# Altium PCB VALVEBOARD_Kun.PcbDoc (part 13 of 13)
Units mil, origin at the board's own origin, x right, y up, seen from the top; angles counter-clockwise.
Board outline 10923.41 x 5583.88 mil, 2 copper layers (Top Layer, Bottom Layer), stack 10.8 mil thick; 1127 components, 626 nets, 3503 pads, 1418 vias.
Unrouted connection lines stored in the file: 1.
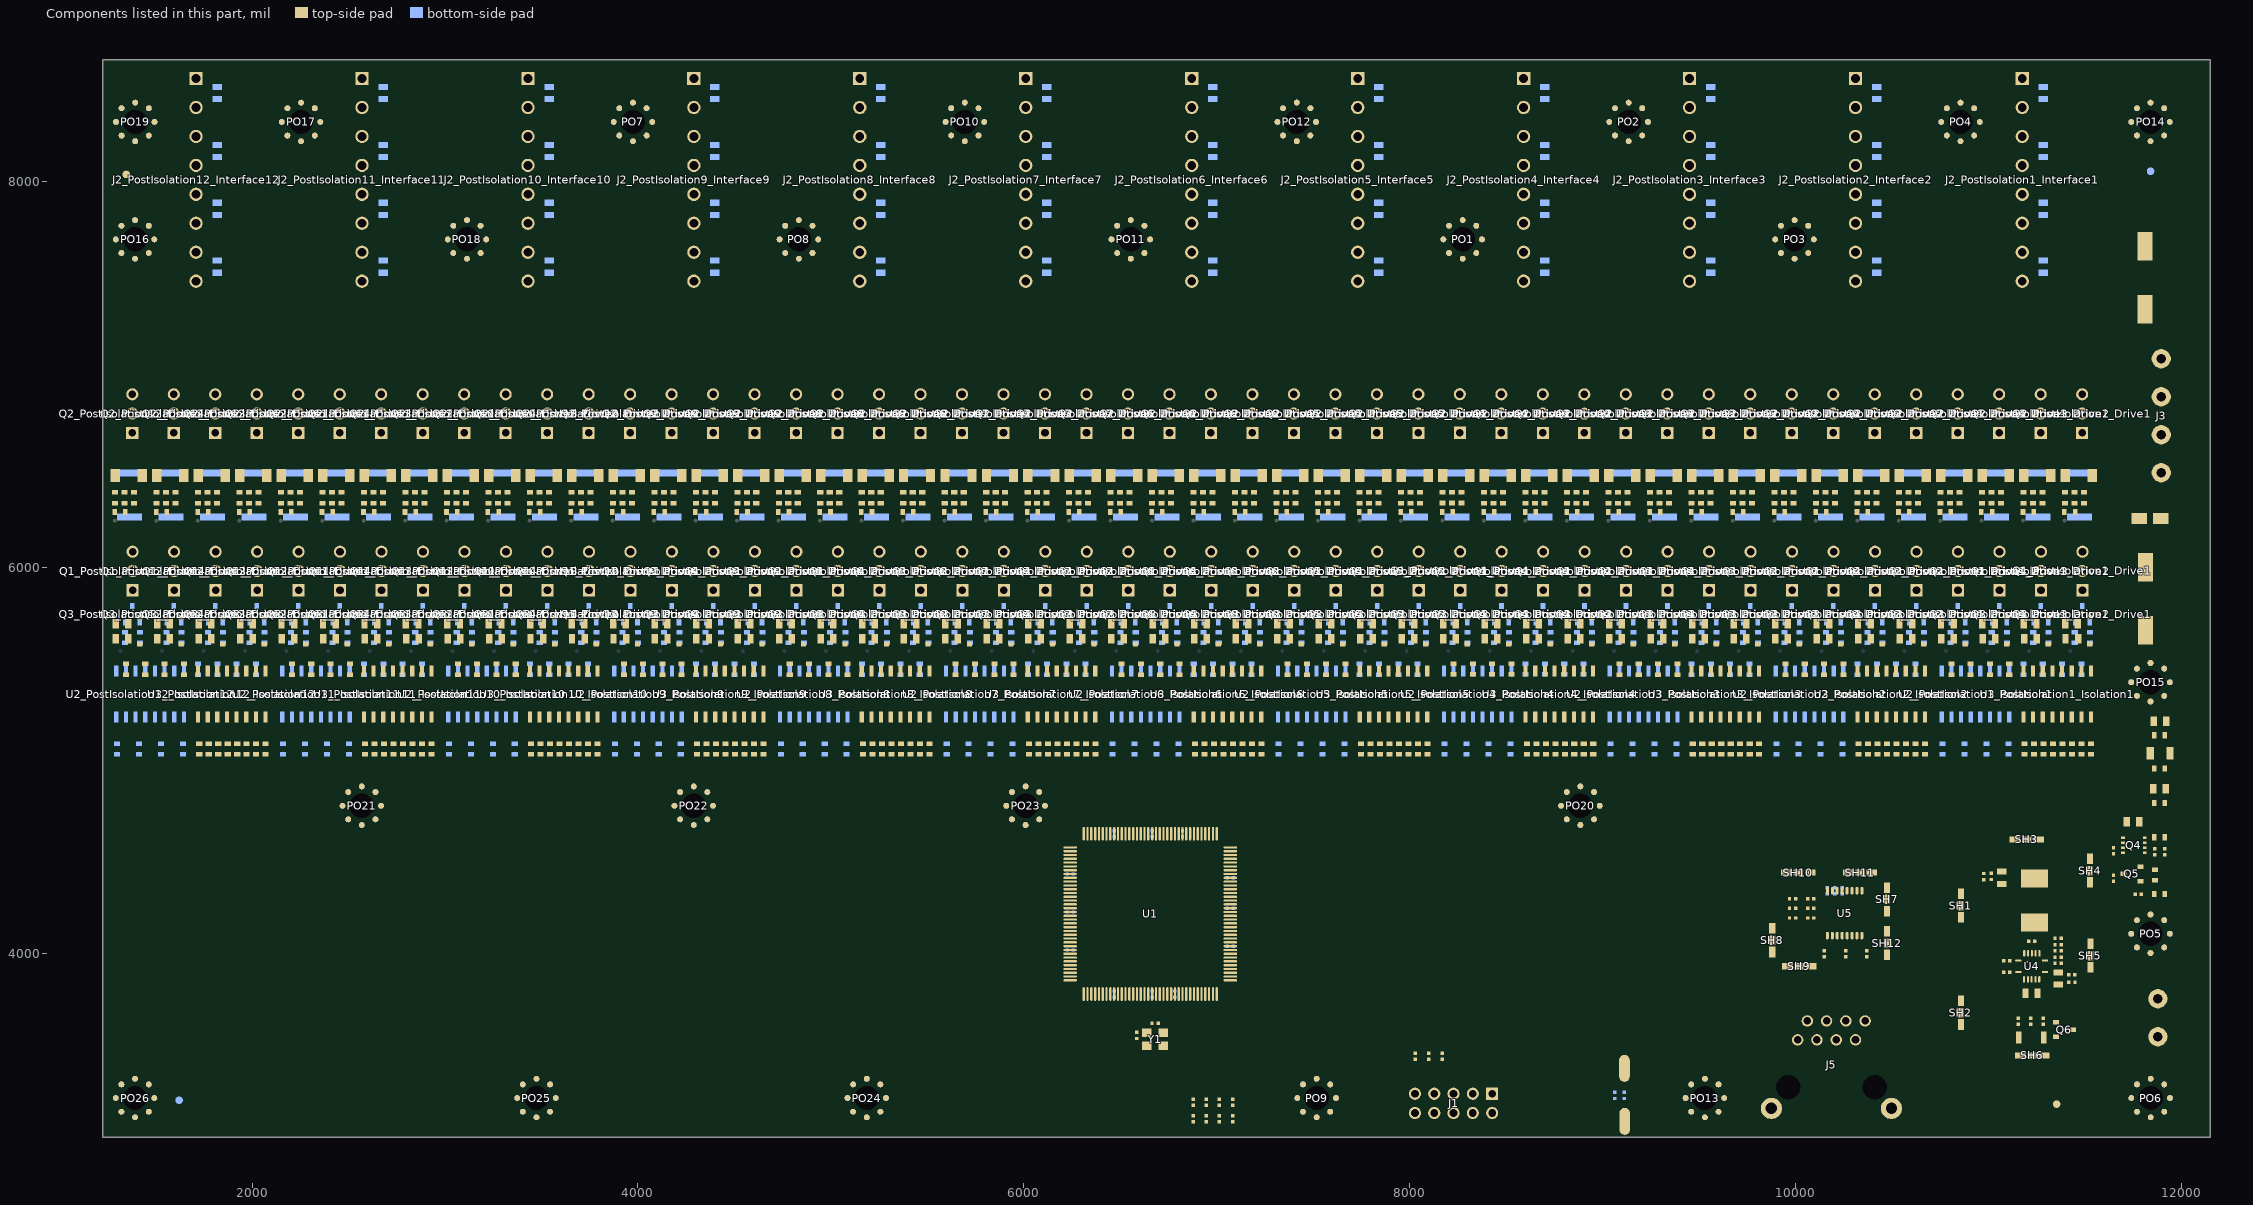
[diagram p13: the components of this part, seen from the top]

## Silkscreen, mask and mechanical layers (free items; w line width, h text height)
Top Overlay:
  drawing of 528 lines, arcs and shapes, not listed
  text "M3" at 1335.68,8521.31 h80
  text "M3" at 2195.38,8521.39 h80
  text "M3" at 3915.5,8521.39 h80
  text "M3" at 5635.62,8521.39 h80
  text "M3" at 7355.74,8521.39 h80
  text "M3" at 9075.86,8521.32 h80
  text "M3" at 10800.11,8521.32 h80
  text "9-" at 9747.06,8480.08 h80 r90
  text "5-" at 10607.12,8480.15 h80 r90
  text "1-" at 11471.31,8480.08 h80 r90
  text "17-" at 8046.94,8471.82 h80 r90
  text "13-" at 8907,8471.82 h80 r90
  text "37-" at 3741.64,8469.43 h80 r90
  text "33-" at 4606.7,8469.43 h80 r90
  text "29-" at 5466.76,8468.96 h80 r90
  text "25-" at 6326.82,8468.96 h80 r90
  text "21-" at 7186.88,8468.96 h80 r90
  text "45-" at 2026.52,8468.35 h80 r90
  text "41-" at 2876.58,8468.35 h80 r90
  text "M3" at 12051.4,8359.6 h80 r270
  text "9+" at 9720.09,8327.65 h80 r90
  text "5+" at 10580.15,8327.72 h80 r90
  text "1+" at 11444.34,8327.65 h80 r90
  text "17+" at 7999.97,8311.29 h80 r90
  text "13+" at 8860.03,8311.29 h80 r90
  text "37+" at 3699.67,8308.9 h80 r90
  text "33+" at 4559.73,8308.9 h80 r90
  text "45+" at 1979.55,8307.82 h80 r90
  text "41+" at 2839.61,8307.82 h80 r90
  text "29+" at 5419.79,8308.43 h80 r90
  text "25+" at 6279.85,8308.43 h80 r90
  text "21+" at 7139.91,8308.43 h80 r90
  text "6-" at 10580.15,8177.72 h80 r90
  text "2-" at 11444.34,8177.65 h80 r90
  text "18-" at 7999.97,8169.39 h80 r90
  text "14-" at 8860.03,8169.39 h80 r90
  text "10-" at 9720.09,8169.33 h80 r90
  text "38-" at 3699.67,8167 h80 r90
  text "34-" at 4559.73,8167 h80 r90
  text "30-" at 5419.79,8167 h80 r90
  text "26-" at 6279.85,8166.53 h80 r90
  text "22-" at 7139.91,8166.53 h80 r90
  text "46-" at 1979.55,8165.92 h80 r90
  text "42-" at 2839.61,8165.92 h80 r90
  text "1" at 10995.01,8106.32 h100 r90
  text "5" at 10121.2,8104.57 h100 r90
  text "9" at 9270.76,8077.83 h100 r90
  text "13" at 8411.36,8061.62 h100 r90
  text "33" at 4111.06,8058.15 h100 r90
  text "29" at 4971.12,8057.97 h100 r90
  text "25" at 5832.2,8057.72 h100 r90
  text "21" at 6692.26,8058.07 h100 r90
  text "17" at 7552.32,8058.07 h100 r90
  text "45" at 1532.92,8056.88 h100 r90
  text "41" at 2391.96,8057.31 h100 r90
  text "37" at 3252.02,8057.3 h100 r90
  text "6+" at 10580.15,8027.72 h80 r90
  text "2+" at 11444.34,8027.65 h80 r90
  text "18+" at 7999.97,8011.29 h80 r90
  text "14+" at 8860.03,8011.29 h80 r90
  text "10+" at 9720.09,8011.22 h80 r90
  text "38+" at 3699.67,8008.9 h80 r90
  text "34+" at 4559.73,8008.9 h80 r90
  text "30+" at 5419.79,8008.9 h80 r90
  text "46+" at 1979.55,8007.82 h80 r90
  text "42+" at 2839.61,8007.82 h80 r90
  text "26+" at 6279.85,8008.43 h80 r90
  text "22+" at 7139.91,8008.43 h80 r90
  text "▷" at 10121.2,7970.22 h100 r90
  text "▷" at 9270.76,7964.82 h100 r90
  text "▷" at 10995.01,7964.82 h100 r90
  text "▷" at 1532.92,7961.75 h100 r90
  text "▷" at 2391.96,7961.83 h100 r90
  text "▷" at 3252.02,7961.83 h100 r90
  text "▷" at 4111.06,7961.91 h100 r90
  text "▷" at 4971.12,7961.91 h100 r90
  text "▷" at 5832.2,7961.83 h100 r90
  text "▷" at 6692.26,7961.83 h100 r90
  text "▷" at 7552.32,7961.83 h100 r90
  text "▷" at 8411.36,7961.91 h100 r90
  text "7-" at 10580.15,7877.72 h80 r90
  text "3-" at 11444.34,7877.65 h80 r90
  text "19-" at 7999.97,7869.39 h80 r90
  text "15-" at 8860.03,7869.39 h80 r90
  text "11-" at 9720.09,7869.32 h80 r90
  text "39-" at 3699.67,7867 h80 r90
  text "35-" at 4559.73,7867 h80 r90
  text "31-" at 5419.79,7867 h80 r90
  text "27-" at 6279.85,7866.53 h80 r90
  text "23-" at 7139.91,7866.53 h80 r90
  text "47-" at 1979.55,7865.92 h80 r90
  text "43-" at 2839.61,7865.92 h80 r90
  text "8" at 10121.2,7832.75 h100 r90
  text "4" at 10995.01,7827.35 h100 r90
  text "16" at 8411.36,7824.93 h100 r90
  text "36" at 4111.06,7821.94 h100 r90
  text "44" at 2391.96,7820.62 h100 r90
  text "40" at 3252.02,7820.62 h100 r90
  text "32" at 4971.12,7821.29 h100 r90
  text "28" at 5832.2,7821.03 h100 r90
  text "24" at 6692.26,7821.38 h100 r90
  text "20" at 7552.32,7821.38 h100 r90
  text "48" at 1532.92,7820.19 h100 r90
  text "12" at 9270.76,7807.82 h100 r90
  text "7+" at 10580.15,7727.72 h80 r90
  text "3+" at 11444.34,7727.65 h80 r90
  text "19+" at 7999.97,7711.29 h80 r90
  text "15+" at 8860.03,7711.29 h80 r90
  text "11+" at 9720.09,7711.22 h80 r90
  text "39+" at 3699.67,7708.9 h80 r90
  text "35+" at 4559.73,7708.9 h80 r90
  text "31+" at 5419.79,7708.9 h80 r90
  text "47+" at 1979.55,7707.82 h80 r90
  text "43+" at 2839.61,7707.82 h80 r90
  text "27+" at 6279.85,7708.43 h80 r90
  text "23+" at 7139.91,7708.43 h80 r90
  text "8-" at 10580.15,7577.72 h80 r90
  text "4-" at 11444.34,7577.65 h80 r90
  text "16-" at 8860.03,7569.39 h80 r90
  text "12-" at 9720.09,7569.32 h80 r90
  text "36-" at 4559.73,7566.53 h80 r90
  text "32-" at 5419.79,7567 h80 r90
  text "28-" at 6279.85,7566.53 h80 r90
  text "24-" at 7139.91,7566.53 h80 r90
  text "20-" at 7999.97,7566.53 h80 r90
  text "48-" at 1979.55,7565.92 h80 r90
  text "44-" at 2839.61,7565.92 h80 r90
  text "40-" at 3699.67,7565.92 h80 r90
  text "8+" at 10580.15,7427.72 h80 r90
  text "4+" at 11444.34,7427.65 h80 r90
  text "M3" at 3067.37,7421.34 h80
  text "M3" at 4787.49,7421.34 h80
  text "M3" at 6507.61,7421.34 h80
  text "M3" at 8227.73,7421.34 h80
  text "M3" at 9947.85,7421.34 h80
  text "16+" at 8860.03,7411.29 h80 r90
  text "12+" at 9720.09,7411.22 h80 r90
  text "36+" at 4559.73,7408.9 h80 r90
  text "32+" at 5419.79,7408.9 h80 r90
  text "48+" at 1979.55,7407.82 h80 r90
  text "44+" at 2839.61,7407.82 h80 r90
  text "40+" at 3699.67,7407.82 h80 r90
  text "28+" at 6279.85,7408.43 h80 r90
  text "24+" at 7139.91,7408.43 h80 r90
  text "20+" at 7999.97,7408.43 h80 r90
  text "44" at 2258.21,7170.77 h80 r90
  text "43" at 2453.44,7170.77 h80 r90
  text "42" at 2647.34,7170.77 h80 r90
  text "41" at 2844.17,7170.77 h80 r90
  text "36" at 3978.33,7170.77 h80 r90
  text "35" at 4173.56,7170.77 h80 r90
  text "34" at 4367.47,7170.77 h80 r90
  text "33" at 4564.29,7170.77 h80 r90
  text "28" at 5698.45,7170.77 h80 r90
  text "27" at 5893.68,7170.77 h80 r90
  text "26" at 6087.59,7170.77 h80 r90
  text "25" at 6284.41,7170.77 h80 r90
  text "20" at 7418.58,7170.77 h80 r90
  text "19" at 7613.8,7170.77 h80 r90
  text "18" at 7807.71,7170.77 h80 r90
  text "17" at 8004.53,7170.77 h80 r90
  text "12" at 9138.7,7170.77 h80 r90
  text "11" at 9333.92,7170.77 h80 r90
  text "10" at 9527.83,7170.77 h80 r90
  text "9" at 9724.65,7170.77 h80 r90
  text "8" at 10032.54,7170.77 h80 r90
  text "7" at 10224.08,7170.52 h80 r90
  text "6" at 10390.58,7170.52 h80 r90
  text "5" at 10584.3,7170.52 h80 r90
  text "4" at 10864.64,7170.52 h80 r90
  text "3" at 11054.04,7170.52 h80 r90
  text "2" at 11253.81,7170.52 h80 r90
  text "1" at 11448.49,7170.52 h80 r90
  text "48" at 1431.94,7170.39 h80 r90
  text "47" at 1623.47,7170.39 h80 r90
  text "46" at 1789.98,7170.39 h80 r90
  text "45" at 1983.69,7170.39 h80 r90
  text "40" at 3152.06,7170.39 h80 r90
  text "39" at 3343.6,7170.39 h80 r90
  text "38" at 3510.1,7170.39 h80 r90
  text "37" at 3703.82,7170.39 h80 r90
  text "32" at 4872.18,7170.39 h80 r90
  text "31" at 5063.72,7170.39 h80 r90
  text "30" at 5230.22,7170.39 h80 r90
  text "29" at 5423.94,7170.39 h80 r90
  text "24" at 6592.3,7170.39 h80 r90
  text "23" at 6783.84,7170.39 h80 r90
  text "22" at 6950.34,7170.39 h80 r90
  text "21" at 7144.06,7170.39 h80 r90
  text "16" at 8312.42,7170.39 h80 r90
  text "15" at 8503.96,7170.39 h80 r90
  text "14" at 8670.47,7170.39 h80 r90
  text "13" at 8864.18,7170.39 h80 r90
  text "LOW" at 12142.2,7022.42 h60 r90
  text "PGND" at 12142.2,6812.44 h60 r90
  text "HIGH" at 12142.2,6617.52 h60 r90
  text "+12V" at 12140.37,6396.77 h60 r90
  text "ILO48" at 1328.77,6212.76 h50
  text "ILO47" at 1543.77,6212.76 h50
  text "ILO46" at 1758.6,6212.76 h50
  text "ILO45" at 1973.49,6212.76 h50
  text "ILO44" at 2188.35,6212.77 h50
  text "ILO43" at 2403.8,6212.77 h50
  text "ILO42" at 2618.86,6212.77 h50
  text "ILO41" at 2833.88,6212.77 h50
  text "ILO40" at 3048.89,6212.76 h50
  text "ILO39" at 3263.91,6212.76 h50
  text "ILO38" at 3478.93,6212.76 h50
  text "ILO37" at 3693.92,6212.76 h50
  text "ILO36" at 3908.75,6212.76 h50
  text "ILO35" at 4123.64,6212.76 h50
  text "ILO34" at 4338.5,6212.76 h50
  text "ILO33" at 4553.95,6212.76 h50
  text "ILO32" at 4769.02,6212.76 h50
  text "ILO31" at 4984.03,6212.76 h50
  text "ILO30" at 5199.05,6212.76 h50
  text "ILO29" at 5414.06,6212.76 h50
  text "ILO28" at 5629.08,6212.76 h50
  text "ILO27" at 5844.08,6212.76 h50
  text "ILO26" at 6058.9,6212.76 h50
  text "ILO25" at 6273.79,6212.76 h50
  text "ILO24" at 6488.65,6212.76 h50
  text "ILO23" at 6704.1,6212.76 h50
  text "ILO22" at 6919.17,6212.76 h50
  text "ILO21" at 7134.18,6212.76 h50
  text "ILO20" at 7349.2,6212.76 h50
  text "ILO19" at 7564.21,6212.76 h50
  text "ILO18" at 7779.23,6212.76 h50
  text "ILO17" at 7994.23,6212.76 h50
  text "ILO16" at 8209.05,6213.21 h50
  text "ILO15" at 8423.95,6212.76 h50
  text "ILO14" at 8638.8,6212.76 h50
  text "ILO13" at 8854.25,6212.63 h50
  text "ILO12" at 9069.32,6212.76 h50
  text "ILO11" at 9284.34,6212.76 h50
  text "ILO10" at 9499.35,6212.76 h50
  text "ILO9" at 9714.37,6212.76 h50
  text "ILO8" at 9929.38,6212.76 h50
  text "ILO7" at 10144.4,6212.76 h50
  text "ILO6" at 10359.41,6212.76 h50
  text "ILO5" at 10574.43,6212.76 h50
  text "ILO4" at 10789.55,6212.76 h50
  text "ILO3" at 11004.33,6212.76 h50
  text "ILO2" at 11219.48,6212.76 h50
  text "ILO1" at 11434.48,6212.89 h50
  text "48" at 1310.24,5520.5 h80
  text "47" at 1527.93,5520.5 h80
  text "46" at 1742.78,5520.5 h80
  text "45" at 1957.6,5520.5 h80
  text "44" at 2172.34,5520.5 h80
  text "43" at 2387.81,5520.5 h80
  text "42" at 2603.23,5520.5 h80
  text "41" at 2818.52,5520.63 h80
  text "40" at 3030.36,5520.5 h80
  text "39" at 3248.56,5520.5 h80
  text "38" at 3463.7,5520.5 h80
  text "37" at 3678.72,5520.5 h80
  text "36" at 3893.57,5520.5 h80
  text "35" at 4108.15,5520.5 h80
  text "34" at 4323.05,5520.5 h80
  text "33" at 4538.64,5520.63 h80
  text "32" at 4750.49,5520.5 h80
  text "31" at 4968.68,5520.5 h80
  text "30" at 5183.82,5520.5 h80
  text "29" at 5398.65,5520.5 h80
  text "28" at 5613.58,5520.5 h80
  text "27" at 5828.33,5520.5 h80
  text "26" at 6043.17,5520.5 h80
  text "25" at 6257.99,5520.63 h80
  text "24" at 6470.61,5520.5 h80
  text "23" at 6688.47,5520.5 h80
  text "22" at 6903.89,5520.5 h80
  text "21" at 7118.96,5520.5 h80
  text "20" at 7333.87,5520.5 h80
  text "19" at 7548.73,5520.5 h80
  text "18" at 7763.88,5520.5 h80
  text "17" at 7978.89,5520.63 h80
  text "16" at 8190.73,5520.5 h80
  text "15" at 8408.92,5520.5 h80
  text "14" at 8624.07,5520.5 h80
  text "13" at 8839.08,5520.5 h80
  text "12" at 9054.07,5520.5 h80
  text "11" at 9268.85,5520.5 h80
  text "10" at 9484,5520.5 h80
  text "9" at 9699.01,5520.63 h80
  text "8" at 9910.85,5520.63 h80
  text "7" at 10129.04,5520.63 h80
  text "6" at 10344.18,5520.63 h80
  text "5" at 10559.2,5520.63 h80
  text "4" at 10774.19,5520.63 h80
  text "3" at 10988.97,5520.63 h80
  text "2" at 11204.12,5520.63 h80
  text "1" at 11419.12,5520.76 h80
  text "M3" at 12051.4,5455.46 h80 r270
  text "12V" at 11959.57,5104.1 h60
  text "HIGH" at 11959.57,4927.88 h60
  text "48" at 1726.92,4913.73 h80
  text "47" at 1825.36,4913.73 h80
  text "46" at 1923.74,4913.73 h80
  text "45" at 2021.93,4913.73 h80
  text "44" at 2587.12,4913.73 h80
  text "43" at 2685.42,4913.73 h80
  text "42" at 2784.05,4913.73 h80
  text "41" at 2882.74,4913.73 h80
  text "40" at 3447.18,4913.73 h80
  text "39" at 3546.5,4913.73 h80
  text "38" at 3644.89,4913.73 h80
  text "37" at 3742.8,4913.73 h80
  text "36" at 4308.24,4913.73 h80
  text "35" at 4406.43,4913.73 h80
  text "34" at 4505.09,4913.73 h80
  text "33" at 4602.86,4913.73 h80
  text "32" at 5168.55,4913.73 h80
  text "31" at 5271.62,4913.73 h80
  text "30" at 5365.15,4913.73 h80
  text "29" at 5462.92,4913.73 h80
  text "28" at 6027.83,4913.73 h80
  text "27" at 6126.27,4913.73 h80
  text "26" at 6224.65,4913.73 h80
  text "25" at 6322.84,4913.73 h80
  text "24" at 6888.03,4913.73 h80
  text "23" at 6986.33,4913.73 h80
  text "22" at 7084.96,4913.73 h80
  text "21" at 7188.04,4913.73 h80
  text "20" at 7748.09,4913.73 h80
  text "19" at 7849.2,4913.73 h80
  text "18" at 7947.58,4913.73 h80
  text "17" at 8046.02,4913.73 h80
  text "16" at 8610.93,4914.18 h80
  text "15" at 8709.12,4914.18 h80
  text "14" at 8807.78,4914.18 h80
  text "13" at 8906.08,4914.18 h80
  text "12" at 9471.18,4913.75 h80
  text "11" at 9574.26,4913.75 h80
  text "10" at 9667.78,4913.75 h80
  text "9" at 9783.54,4913.75 h80
  text "8" at 10347.51,4913.75 h80
  text "7" at 10446.89,4913.75 h80
  text "6" at 10545.05,4913.75 h80
  text "5" at 10643.46,4913.75 h80
  text "4" at 11207.63,4913.73 h80
  text "3" at 11307.01,4913.73 h80
  text "2" at 11405.17,4913.73 h80
  text "1" at 11511.1,4913.73 h80
  text "LOW" at 11959.57,4750.31 h60
  text "M3" at 2243.47,4728.55 h80
  text "M3" at 5683.71,4728.55 h80
  text "M3" at 8559.04,4729 h80
  text "GG3V3" at 11400.18,4663.05 h60
  text "GG3V3" at 11959.57,4575.38 h60
  text "3V3" at 11121.12,4480.83 h60
  text "DGND" at 11267.4,4468.03 h60
  text "SEN" at 9914.5,4317.7 h60
  text "3V3" at 11959.57,4278.25 h60
  text "M3" at 12051.4,4151.85 h80 r270
  text "SDATA" at 9921.84,4091.86 h60
  text "SCLK" at 9922.61,4016.49 h60
  text "+12V" at 12127.98,3711.79 h60 r90
  text "DGND" at 12129.2,3472.53 h60 r90
  text "M3" at 1502.01,3441.8 h80 r315
  text "S1 S2 S3 S4" at 6826.96,3372.89 h60
  text "M3" at 7323.01,3368.43 h80 r45
  text "M3" at 5403.96,3216.87 h80
  text "M3" at 9215.29,3216.87 h80
  text "M3" at 11515.87,3216.87 h80
  text "0" at 6776.96,3202.89 h60
  text "1" at 6781.96,3117.89 h60
  text "V1.3" at 1696.54,3072.56 h80
  text "PROG" at 7794.17,3048.81 h80 r90
  text "SKUN" at 9805,3047.94 h80 r90
  text "RESET" at 8970.83,3046.77 h80 r90
  text "INFO" at 6643.1,3046.01 h80 r90
Bottom Overlay:
  drawing of 673 lines, arcs and shapes, not listed
  text "48" at 1397.75,7282.31 h80 r90
  text "40" at 3117.87,7282.31 h80 r90
  text "32" at 4837.99,7282.31 h80 r90
  text "24" at 6558.11,7282.31 h80 r90
  text "16" at 8278.23,7282.31 h80 r90
  text "8" at 9998.35,7282.44 h80 r90
  text "46" at 1827.67,7279.7 h80 r90
  text "45" at 2042.69,7279.9 h80 r90
  text "44" at 2257.68,7280.15 h80 r90
  text "25" at 6342.86,7279.8 h80 r90
  text "47" at 1612.53,7279.4 h80 r90
  text "43" at 2472.46,7279.45 h80 r90
  text "42" at 2687.6,7279.18 h80 r90
  text "41" at 2902.61,7279.03 h80 r90
  text "39" at 3332.65,7278.9 h80 r90
  text "38" at 3547.79,7278.9 h80 r90
  text "37" at 3762.81,7278.9 h80 r90
  text "36" at 3977.8,7279.03 h80 r90
  text "35" at 4192.58,7279.23 h80 r90
  text "34" at 4407.73,7279.48 h80 r90
  text "33" at 4622.73,7279.02 h80 r90
  text "31" at 5052.77,7278.9 h80 r90
  text "30" at 5267.92,7278.9 h80 r90
  text "29" at 5482.93,7279.09 h80 r90
  text "28" at 5697.92,7279.15 h80 r90
  text "27" at 5912.7,7279.17 h80 r90
  text "26" at 6127.85,7279.48 h80 r90
  text "23" at 6772.89,7279.23 h80 r90
  text "22" at 6988.04,7278.95 h80 r90
  text "21" at 7203.05,7278.9 h80 r90
  text "20" at 7418.04,7278.98 h80 r90
  text "19" at 7632.82,7278.9 h80 r90
  text "18" at 7847.97,7278.9 h80 r90
  text "17" at 8062.98,7279.03 h80 r90
  text "15" at 8493.01,7278.9 h80 r90
  text "14" at 8708.16,7278.9 h80 r90
  text "13" at 8923.17,7278.9 h80 r90
  text "12" at 9138.16,7278.9 h80 r90
  text "11" at 9352.94,7278.9 h80 r90
  text "10" at 9568.09,7278.9 h80 r90
  text "9" at 9783.1,7279.03 h80 r90
  text "7" at 10213.13,7279.03 h80 r90
  text "6" at 10428.28,7279.03 h80 r90
  text "5" at 10643.29,7279.03 h80 r90
  text "4" at 10858.28,7279.03 h80 r90
  text "3" at 11073.06,7279.03 h80 r90
  text "2" at 11288.21,7279.03 h80 r90
  text "1" at 11503.22,7279.15 h80 r90
  text "DM44" at 2150.02,5942.57 h50 r90
  text "DM34" at 4300.17,5942.57 h50 r90
  text "DM24" at 6450.33,5942.57 h50 r90
  text "DM16" at 8170.45,5942.74 h50 r90
  text "DM14" at 8600.48,5942.57 h50 r90
  text "DM48" at 1289.96,5942.08 h50 r90
  text "DM47" at 1504.98,5942.1 h50 r90
  text "DM46" at 1719.99,5942.29 h50 r90
  text "DM45" at 1935.01,5942.41 h50 r90
  text "DM43" at 2365.04,5942.14 h50 r90
  text "DM42" at 2580.05,5942.09 h50 r90
  text "DM41" at 2795.07,5942.09 h50 r90
  text "DM40" at 3010.08,5942.08 h50 r90
  text "DM39" at 3225.1,5942.08 h50 r90
  text "DM38" at 3440.11,5942.08 h50 r90
  text "DM37" at 3655.13,5942.1 h50 r90
  text "DM36" at 3870.14,5942.29 h50 r90
  text "DM35" at 4085.16,5942.41 h50 r90
  text "DM33" at 4515.19,5942.14 h50 r90
  text "DM32" at 4730.2,5942.09 h50 r90
  text "DM31" at 4945.22,5942.09 h50 r90
  text "DM30" at 5160.24,5942.09 h50 r90
  text "DM29" at 5375.25,5942.09 h50 r90
  text "DM28" at 5590.27,5942.09 h50 r90
  text "DM27" at 5805.28,5942.1 h50 r90
  text "DM26" at 6020.3,5942.29 h50 r90
  text "DM25" at 6235.31,5942.42 h50 r90
  text "DM23" at 6665.34,5942.14 h50 r90
  text "DM22" at 6880.36,5942.09 h50 r90
  text "DM21" at 7095.37,5942.09 h50 r90
  text "DM20" at 7310.39,5942.09 h50 r90
  text "DM19" at 7525.4,5942.09 h50 r90
  text "DM18" at 7740.42,5942.09 h50 r90
  text "DM17" at 7955.43,5942.1 h50 r90
  text "DM15" at 8385.46,5942.42 h50 r90
  text "DM13" at 8815.49,5942 h50 r90
  text "DM12" at 9030.51,5942.09 h50 r90
  text "DM11" at 9245.52,5942.09 h50 r90
  text "DM10" at 9460.54,5942.09 h50 r90
  text "DM9" at 9675.55,5942.09 h50 r90
  text "DM8" at 9890.57,5942.09 h50 r90
  text "DM7" at 10105.58,5942.09 h50 r90
  text "DM6" at 10320.6,5942.09 h50 r90
  text "DM5" at 10535.62,5942.09 h50 r90
  text "DM4" at 10750.74,5942.09 h50 r90
  text "DM3" at 10965.52,5942.09 h50 r90
  text "DM2" at 11180.66,5942.09 h50 r90
  text "DM1" at 11395.67,5942.21 h50 r90
  text "IUO15" at 8386.21,5753.34 h50 r90
  text "IUO48" at 1290.71,5740.59 h50 r90
  text "IUO47" at 1505.73,5740.78 h50 r90
  text "IUO46" at 1720.74,5740.9 h50 r90
  text "IUO45" at 1935.76,5741.06 h50 r90
  text "IUO44" at 2150.77,5741.06 h50 r90
  text "IUO43" at 2365.79,5740.62 h50 r90
  text "IUO42" at 2580.8,5740.57 h50 r90
  text "IUO41" at 2795.82,5740.57 h50 r90
  text "IUO40" at 3010.83,5740.57 h50 r90
  text "IUO39" at 3225.85,5740.57 h50 r90
  text "IUO38" at 3440.86,5740.78 h50 r90
  text "IUO37" at 3655.88,5740.9 h50 r90
  text "IUO36" at 3870.9,5741.06 h50 r90
  text "IUO35" at 4085.91,5740.9 h50 r90
  text "IUO34" at 4300.93,5741.06 h50 r90
  text "IUO33" at 4515.94,5740.62 h50 r90
  text "IUO32" at 4730.96,5740.57 h50 r90
  text "IUO31" at 4945.97,5740.57 h50 r90
  text "IUO30" at 5160.99,5740.57 h50 r90
  text "IUO29" at 5376,5740.59 h50 r90
  text "IUO28" at 5591.02,5740.78 h50 r90
  text "IUO27" at 5806.03,5740.9 h50 r90
  text "IUO26" at 6021.05,5741.06 h50 r90
  text "IUO25" at 6236.06,5740.9 h50 r90
  text "IUO24" at 6451.08,5741.06 h50 r90
  text "IUO23" at 6666.09,5740.62 h50 r90
  text "IUO22" at 6881.11,5740.57 h50 r90
  text "IUO21" at 7096.12,5740.57 h50 r90
  text "IUO20" at 7311.14,5740.57 h50 r90
  text "IUO19" at 7526.15,5740.57 h50 r90
  text "IUO18" at 7741.17,5740.59 h50 r90
  text "IUO17" at 7956.18,5740.78 h50 r90
  text "IUO16" at 8171.2,5741.35 h50 r90
  text "IUO14" at 8601.23,5741.06 h50 r90
  text "IUO12" at 9031.26,5740.57 h50 r90
  text "IUO11" at 9246.28,5740.57 h50 r90
  text "IUO10" at 9461.29,5740.57 h50 r90
  text "IUO9" at 9676.31,5740.57 h50 r90
  text "IUO8" at 9891.32,5740.57 h50 r90
  text "IUO7" at 10106.34,5740.57 h50 r90
  text "IUO6" at 10321.35,5740.57 h50 r90
  text "IUO5" at 10536.37,5740.57 h50 r90
  text "IUO4" at 10751.49,5740.57 h50 r90
  text "IUO3" at 10966.27,5740.57 h50 r90
  text "IUO2" at 11181.41,5740.57 h50 r90
  text "IUO1" at 11396.42,5740.7 h50 r90
  text "IUO13" at 8816.24,5740.49 h50 r90
  text "48" at 1349.08,4913.73 h80
  text "47" at 1462.84,4913.73 h80
  text "46" at 1576.66,4913.73 h80
  text "45" at 1690.68,4913.73 h80
  text "44" at 2209,4913.73 h80
  text "43" at 2322.91,4913.73 h80
  text "42" at 2436.47,4913.73 h80
  text "41" at 2545.6,4913.73 h80
  text "40" at 3069.06,4913.73 h80
  text "39" at 3181.94,4913.73 h80
  text "38" at 3295.76,4913.73 h80
  text "37" at 3409.52,4913.73 h80
  text "36" at 3928.13,4913.73 h80
  text "35" at 4042.14,4913.73 h80
  text "34" at 4155.68,4913.73 h80
  text "33" at 4269.58,4913.73 h80
  text "32" at 4787.94,4913.73 h80
  text "31" at 4897.07,4913.73 h80
  text "30" at 5015.74,4913.73 h80
  text "29" at 5130.17,4913.73 h80
  text "28" at 5648.78,4913.73 h80
  text "27" at 5762.54,4913.73 h80
  text "26" at 5876.36,4913.73 h80
  text "25" at 5990.37,4913.73 h80
  text "24" at 6508.7,4913.73 h80
  text "23" at 6622.6,4913.73 h80
  text "22" at 6736.17,4913.73 h80
  text "21" at 6845.3,4913.73 h80
  text "20" at 7368.76,4913.73 h80
  text "19" at 7479.86,4913.73 h80
  text "18" at 7593.68,4913.73 h80
  text "17" at 7707.44,4913.73 h80
  text "16" at 8226.04,4914.18 h80
  text "15" at 8340.06,4914.18 h80
  text "14" at 8453.6,4914.18 h80
  text "13" at 8567.5,4914.18 h80
  text "12" at 9085.8,4913.75 h80
  text "11" at 9194.93,4913.75 h80
  text "10" at 9313.6,4913.75 h80
  text "9" at 9410.19,4913.75 h80
  text "8" at 9929.6,4913.75 h80
  text "7" at 10042.42,4913.75 h80
  text "6" at 10156.46,4913.75 h80
  text "5" at 10270.25,4913.75 h80
  text "4" at 10789.72,4913.73 h80
  text "3" at 10902.54,4913.73 h80
  text "2" at 11016.58,4913.73 h80
  text "1" at 11122.85,4913.73 h80
  text "GG3V3" at 11593.73,4663.05 h60
  text "3V3" at 11248.74,4480.83 h60
  text "DGND" at 11439.78,4468.03 h60
  text "SEN" at 9845.52,4269.98 h60
  text "SCLK" at 9866.36,4203.54 h60
  text "SDATA" at 9882.34,4136.9 h60
Top Paste:
  drawing of 2433 lines, arcs and shapes, not listed
Bottom Paste:
  drawing of 509 lines, arcs and shapes, not listed
Mechanical 1:
  the board outline again, w10
Mechanical 2:
  lines w15: 1257.77,5585.3 11568.94,5585.3 ; 1258.27,8631.57 1258.28,5584.9 ; 1258.28,8631.57 11573.09,8631.57 ; 1473.29,5584.9 1473.29,5664.17 ; 1688.31,5584.9 1688.31,5664.17 ; 1903.32,5584.9 1903.32,5664.17 ; 2118.34,5584.9 2118.34,8631.57 ; 2333.35,5584.9 2333.35,5664.17 ; 2548.37,5584.9 2548.37,5664.17 ; 2763.38,5584.9 2763.38,5664.17 ; 2978.4,5584.63 2978.4,8631.57 ; 3193.41,5584.77 3193.41,5664.03 ; 3408.43,5584.9 3408.43,5664.17 ; 3623.44,5585.03 3623.44,5664.3 ; 3838.46,5585.16 3838.46,8631.57 ; 4053.47,5585.16 4053.47,5664.43 ; 4268.49,5585.16 4268.49,5664.43 ; 4483.5,5585.16 4483.5,5664.43 ; 4698.52,5585.16 4698.52,8631.57 ; 4913.53,5585.16 4913.53,5664.43 ; 5128.55,5585.16 5128.55,5664.43 ; 5343.56,5585.16 5343.56,5664.43 ; 5558.58,5585.16 5558.58,8631.57 ; 5988.61,5585.16 5988.61,5664.43 ; 6203.62,5585.16 6203.62,5664.43 ; 6418.64,5585.16 6418.64,8631.57 ; 6633.66,5585.16 6633.66,5664.43 ; 6848.67,5585.16 6848.67,5664.43 ; 7063.69,5585.16 7063.69,5664.43 ; 7278.7,5585.3 7278.7,8632.02 ; 7493.72,5585.16 7493.72,5664.43 ; 7708.73,5585.16 7708.73,5664.43 ; 7923.75,5585.16 7923.75,5664.43 ; 8138.71,5522.9 8139.03,5424.42 ; 8138.76,5585.74 8138.76,8631.57 ; 8353.78,5585.16 8353.78,5664.43 ; 8568.79,5585.16 8568.79,5664.43 ; 8783.81,5585.16 8783.81,5664.43 ; 8998.7,5522.92 8999.03,5424.44 ; 9213.77,5585.18 9213.77,5664.45 ; 9428.79,5585.31 9428.79,5664.58 ; 9858.83,5522.9 9859.15,5424.42 ; 9858.88,5585.3 9858.88,8631.57 ; 10073.84,5585.18 10073.84,5664.45 ; 10073.9,5585.16 10073.9,5664.43 ; 10288.85,5585.31 10288.85,5664.58 ; 10288.91,5585.16 10288.91,5664.43 ; 10503.93,5585.16 10503.93,5664.43 ; 10718.94,5585.3 10718.94,8631.57 ; 10719.01,5585.28 10719.01,8631.55 ; 10719.15,5523.54 10719.48,5425.05 ; 10934.02,5585.14 10934.02,5664.41 ; 11149.04,5585.14 11149.04,5664.41 ; 11363.99,5585.43 11363.99,5661.65 ; 11364.05,5585.14 11364.05,5664.41 ; 5773.59,5585.16 5773.59,5664.43 5773.59,5585.16 ; 8998.82,5585.3 8998.82,8631.57 8998.82,5585.3 ; 9213.84,5585.16 9213.84,5664.43 9213.84,5585.16 ; 9428.85,5585.16 9428.85,5664.43 9428.85,5585.16 ; 9643.87,5585.16 9643.87,5664.43 9643.87,5585.16 ; 10933.96,5585.16 10933.96,5664.43 10933.96,5585.16 ; 11148.97,5585.29 11148.97,5664.56 11148.97,5585.29

## Dimensions
12148.61,3047.69 to 12148.61,8631.57 on Mechanical 2
1225.2,3047.69 to 12148.61,3047.69 on Mechanical 2